# Altium PCB SINA33D3.0.PcbDoc (part 3 of 3) (continued)
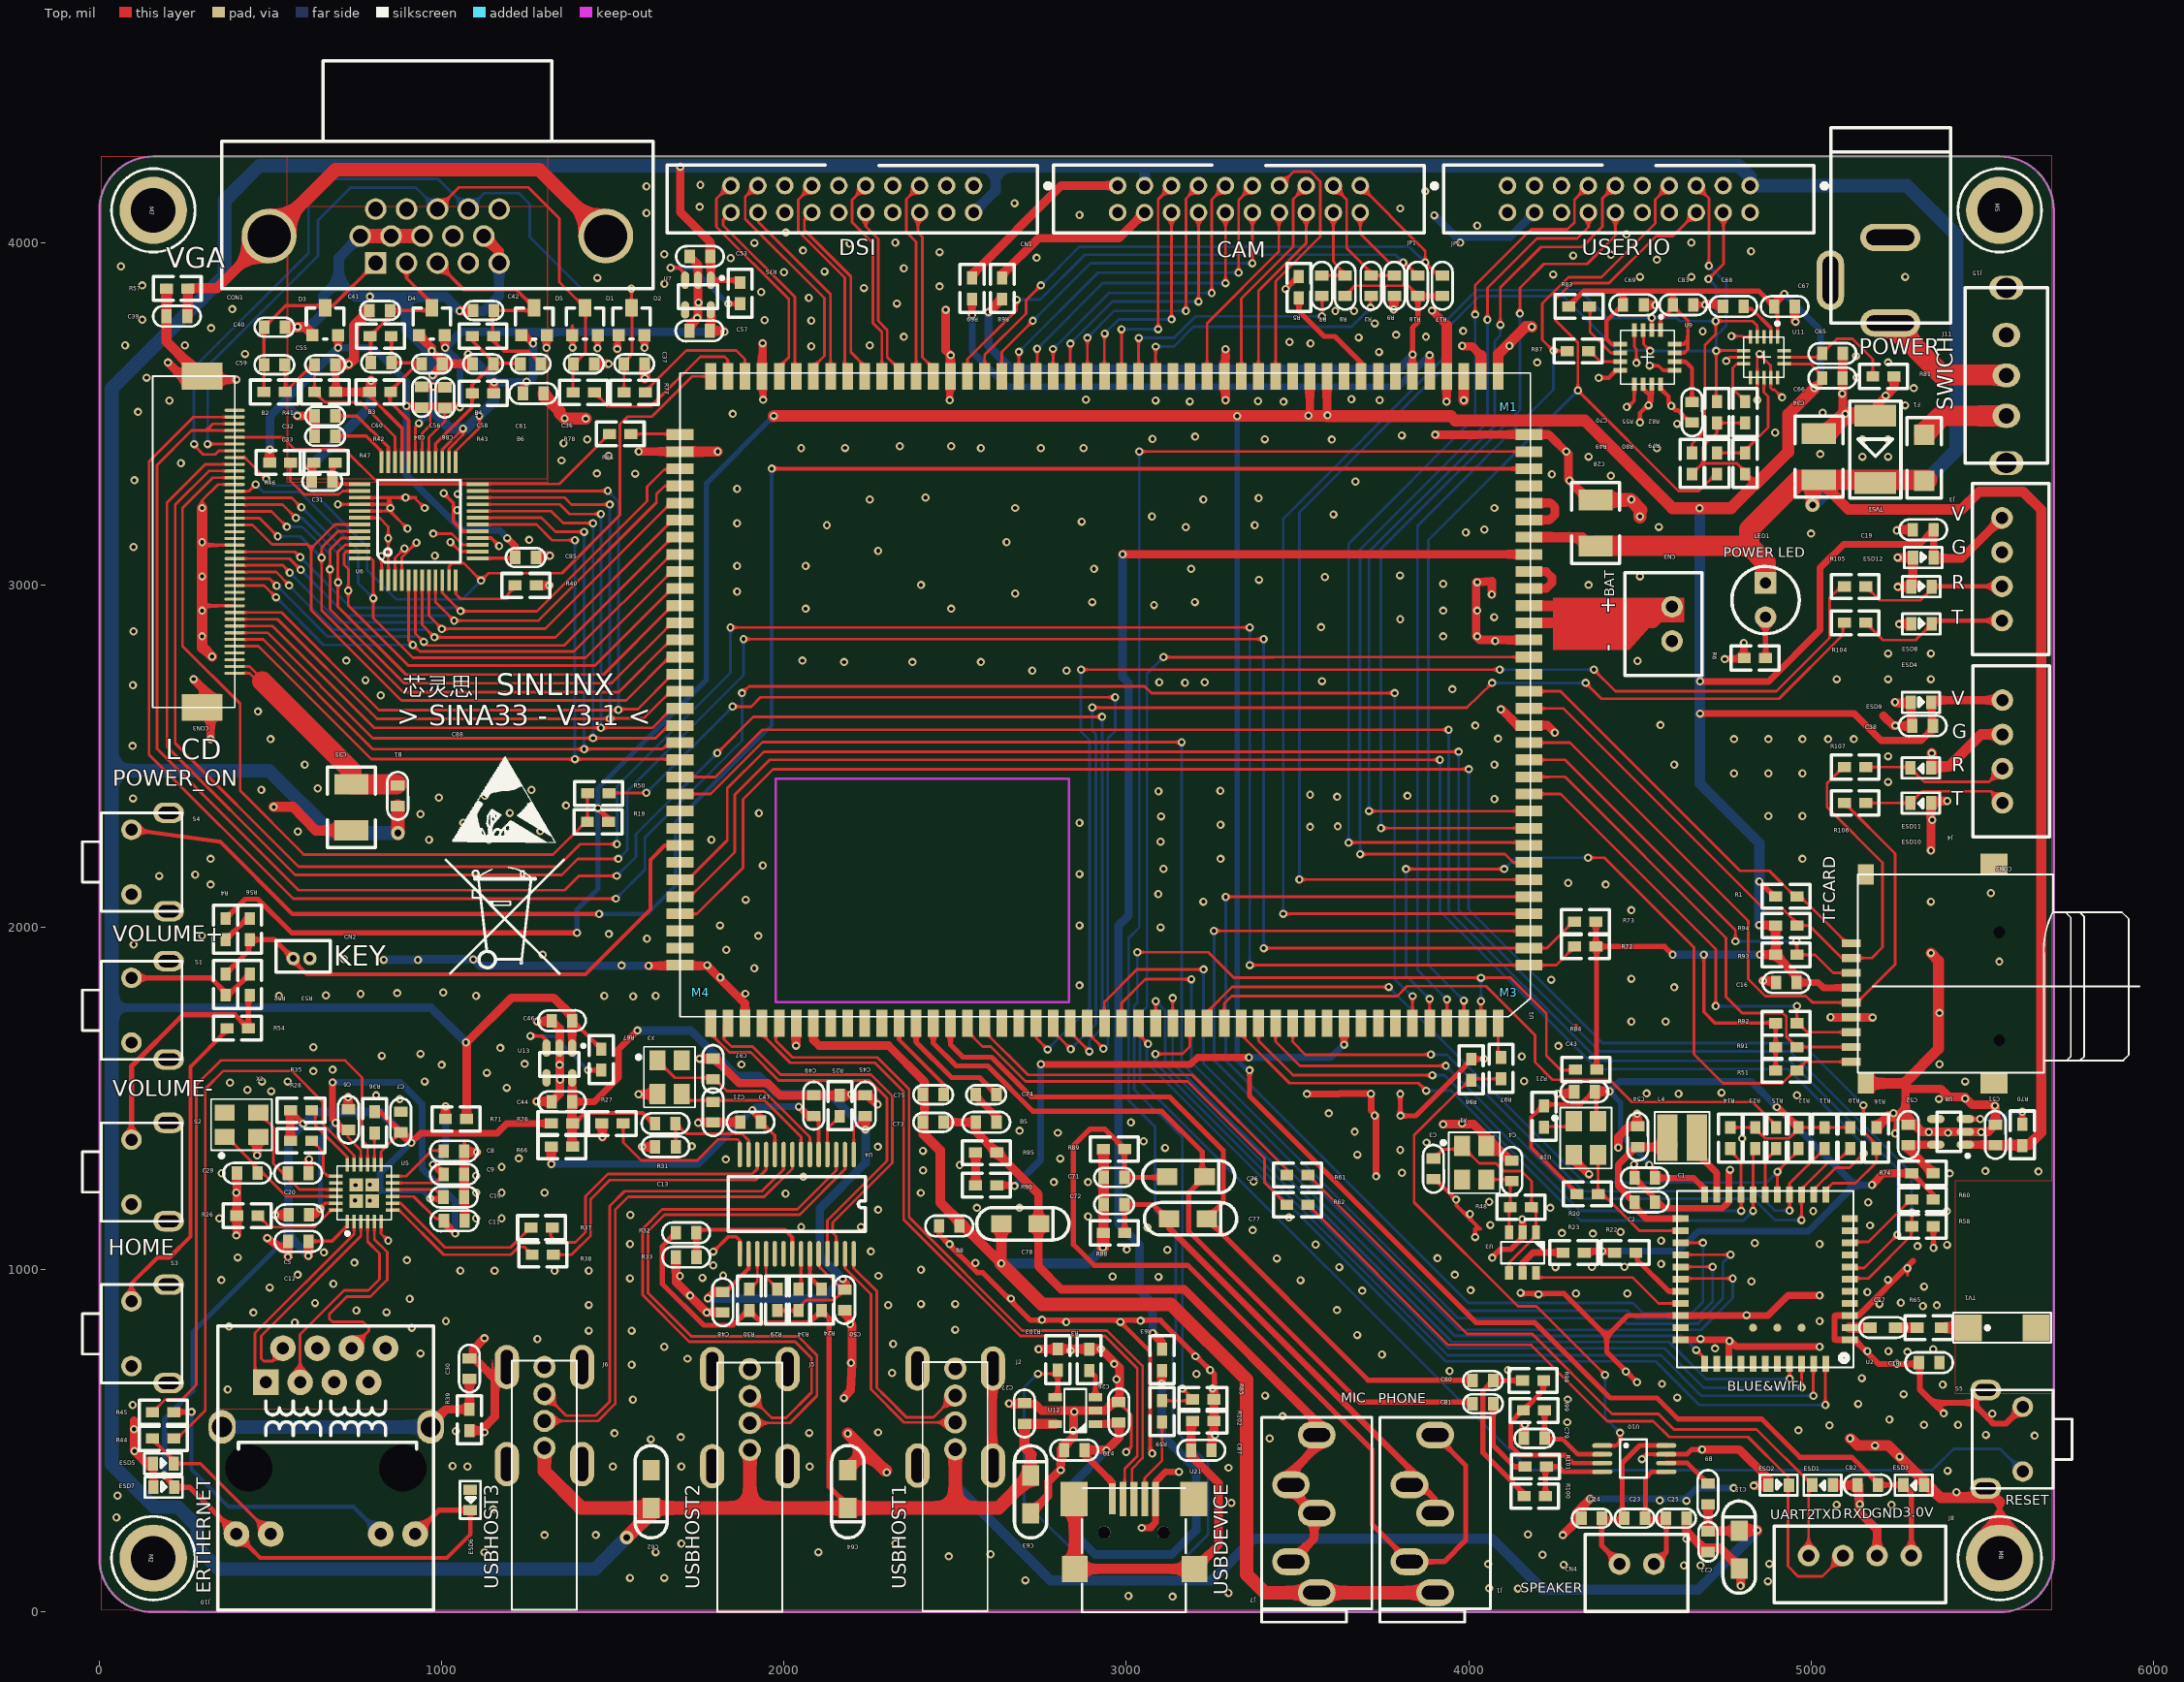
[diagram p0: Top view]
## Nets (pads, with @x,y where several pads share a name; then routed paths per layer and width w, separated by ;. In a path a pad name is that pad's centre, name@x,y a point inside that pad or via, vN(x,y) a via of type N, cw(c..) or ccw(c..) an arc to the next point about the centre after c; other vN are vias at no path point) (continued)
  Bottom w8: v1(1509.06,2083.86) 1593.31,2168.11 1593.31,2261.81 1877.17,2545.67 v1(1877.17,2684.26) ; v1(3783.47,2684.26) 3783.47,1849.61 3829.93,1803.15 3831.89,1803.15 v1(3835.83,1799.22)
TP-RST: CON3.37 CON3.38 U1.133 | length 5466.7
  Top w8: CON3.37@395.28,3451.18 312.21,3451.18 ; CON3.38@395.28,3470.87 331.89,3470.87 312.21,3451.18 ; v1(1511.42,2150.4) 1400.79,2150.4 1359.06,2108.66 581.5,2108.66 168.11,2522.05 168.11,3350.4 268.9,3451.18 312.21,3451.18 ; v1(1804.73,2509.45) 1910.24,2614.96 v1(2929.13,2614.96) ; U1.133@2835.83,1719.69 2835.83,1693.7 v1(2891.74,1637.8)
  Bottom w8: v1(1511.42,2150.4) 1566.93,2205.91 1566.93,2271.66 v1(1804.73,2509.45) ; v1(2891.74,1637.8) 2891.74,1668.51 2929.13,1705.9 v1(2929.13,2614.96)
TP-SCK: CON3.32 R73.2 U1.2 | length 6613.3
  Top w8: CON3.32@395.28,3352.76 309.06,3352.76 197.25,3240.95 197.25,2527.56 571.66,2153.15 1350.79,2153.15 1397.64,2200 v1(1516.15,2200) ; v1(1881.5,2842.13) v1(3400.79,2842.13) ; v1(3400.79,1939.37) 4158.47,1939.37 U1.2@4175.99,1939.57 4228.35,1939.57 4309.56,2020.77 R73.2@4309.56,2016.54
  Bottom w8: v1(1516.15,2200) 1541.74,2225.59 1541.74,2397.25 1881.5,2737.01 v1(1881.5,2842.13) ; v1(3400.79,1939.37) v1(3400.79,2842.13)
TP-SDA: CON3.31 R72.2 U1.1 | length 6624.2
  Top w8: CON3.31@395.28,3333.07 319.89,3333.07 221.46,3234.65 221.46,2537.8 581.7,2177.56 1338.59,2177.56 1403.94,2242.92 v1(1511.82,2242.92) ; v1(1843.31,2875.99) v1(3360.24,2875.99) ; v1(3360.24,1889.77) 3810.04,1889.77 3810.24,1889.57 U1.1@4175.99,1889.57 4255.52,1889.57 4255.52,1890.06 R72.2@4309.56,1944.1
  Bottom w8: v1(1511.82,2242.92) 1511.82,2412.21 1843.7,2744.1 1843.7,2875.59 v1(1843.31,2875.99) ; v1(3360.24,1889.77) v1(3360.24,2875.99)
TS: R5.1 U1.41 | length 323
  Top w15: R5.1@3503.94,3838.69 3503.94,3799.61 3577.56,3725.99 3609.06,3725.99 3685.83,3649.22 U1.41@3685.83,3609.45
UART0-RX: ESD11.2 J4.2 R107.1 | length 433.1
  Top w8: R107.1@5159.74,2468.11 5288.07,2468.11 ESD11.2@5290.48,2465.7 5330.98,2425.2 5520.47,2425.2 J4.2@5559.06,2463.78
UART0-TX: ESD10.2 J4.1 R106.1 | length 427.6
  Top w8: R106.1@5159.74,2363.39 5290.43,2363.39 ESD10.2@5290.48,2363.34 5324.78,2397.64 5525.2,2397.64 J4.1@5559.06,2363.78
UART3-RX: ESD8.2 J3.2 R105.1 | length 441.7
  Top w8: R105.1@5159.74,2995.67 5199.9,2955.51 5320.08,2955.51 5355.96,2991.4 5357.48,2992.91 5355.46,2994.93 ESD8.2@5352.43,2994.93 ESD8.2@5353.57,2996.06
  Top w12: ESD8.2@5353.57,2996.06 J3.2@5557.87,2996.06
UART3-TX: ESD4.2 J3.1 R104.1 | length 443.2
  Top w8: R104.1@5159.74,2889.76 5210.13,2839.37 5306.69,2839.37 5306.69,2840.53 ESD4.2@5352.43,2886.27 ESD4.2@5362.23,2896.06
  Top w12: ESD4.2@5362.23,2896.06 J3.1@5557.87,2896.06
USB-DM0: U1.115 U21.2 | length 2178.1
  Top w8: U1.115@1935.83,1719.69 1935.83,1687.01 2018.11,1604.73 2265.36,1604.73 2349.61,1520.48 2349.61,1147.04 2689.56,807.09 2937.01,807.09 3031.89,712.2 3031.89,455.91 2995.28,419.29 2995.28,330.71 2995.27,330.63 2995.24,328.55 2995.08,319.29 2985.83,328.55 2988,330.71 U21.2@2990.56,330.71
USB-DM1: U1.112 U4.25 | length 1150.4
  Top w8: U1.112@1785.83,1719.69 1785.83,1688.98 1840.16,1634.65 1902.76,1634.65 1984.26,1553.15 2248.82,1553.15 2300.79,1501.18 2300.79,1318.11 2126.61,1143.93 U4.25@2126.61,1046.34
USB-DP0: U1.116 U21.3 | length 2150.8
  Top w8: U1.116@1985.83,1719.69 1977.96,1719.69 1975.59,1717.33 1975.59,1668.51 2024.02,1620.08 2272.45,1620.08 2364.96,1527.56 2364.96,1153.15 2695.67,822.44 2943.7,822.44 3047.24,718.9 3047.24,450 3016.54,419.29 3016.54,330.71 U21.3@3022.05,330.71
USB-DP1: U1.113 U4.26 | length 1154.9
  Top w8: U1.113@1835.83,1719.69 1833.08,1719.69 1832.68,1719.29 1832.68,1712.6 1825.99,1712.6 1824.02,1710.63 1824.02,1673.63 1846.07,1651.58 1907.88,1651.58 1989.77,1569.69 2253.55,1569.69 2316.15,1507.09 2316.15,1311.97 2141.74,1137.56 2141.74,1109.06 2152.21,1098.58 U4.26@2152.21,1046.34
USB-DRVVBUS: R103.2 U1.31 U12.4 | length 5606.8
  Top w8: v1(2741.34,696.06) R103.2@2799.61,696.06 ; U12.4@2791.5,627.95 2798.43,627.95 U12.4@2799.61,626.77 ; v1(3037.8,3389.76) 3546.4,3389.76 3546.46,3389.7 U1.31@4175.99,3389.57
  Top w15: U12.4@2799.61,626.77 2799.61,696.06 R103.2@2799.61,706.4
  Bottom w8: v1(2741.34,696.06) 2701.57,656.3 2701.57,322.83 2888.19,136.22 3148.82,136.22 3238.58,225.98 3238.58,434.65 3135.04,538.19 3135.04,775.98 3144.49,785.43 3144.49,1111.81 3083.46,1172.83 3083.46,1417.72 3006.3,1494.88 3006.3,1968.5 3037.8,2000 v1(3037.8,3389.76)
USB-ID: R59.1 R84.1 R85.1 U1.157 | length 3101
  Top w8: v1(3031.89,1927.56) 3238.98,1927.56 3313.78,1852.76 v1(4035.83,1852.76) 4122.25,1852.76 4226.78,1748.23 4226.78,1625.59 4269.3,1583.07 4309.06,1583.07 4310.64,1584.65 R84.1@4311.52,1584.65 ; R59.1@3103.94,617.22 3192.51,617.22 3192.6,617.13 R85.1@3193.02,621.26 3193.02,623.92 v1(3163.78,653.15) ; U1.157@4035.83,1719.69 v1(4035.83,1784.65)
  Bottom w8: v1(3031.89,1927.56) 3031.89,1780.31 3023.14,1771.56 3023.14,1526.08 3163.78,1385.44 v1(3163.78,653.15) ; v1(4035.83,1784.65) v1(4035.83,1852.76)
USBVBUS: R63.2 U1.25 | length 3580.9
  Top w25: v1(2988.98,3089.76) 2989.17,3089.57 U1.25@4175.99,3089.57 ; v1(3076.77,814.96) 3103.94,787.8 R63.2@3103.94,768.01
  Bottom w25: v1(2988.98,3089.76) 2988.98,2731.1 3006.3,2713.78 3006.3,2034.25 2976.77,2004.72 2976.77,1134.25 3038.58,1072.44 3038.58,938.58 3076.77,900.39 v1(3076.77,814.96)
VBAT: CN3.1 U1.21 U1.22 | length 856.9
  Top w8: CN3.1@4590.95,2939.57 CN3.1@4594.1,2936.42
  Top w30: U1.22@4175.99,2939.57 CN3.1@4590.95,2939.57
  Top w32: U1.21@4175.99,2889.57 4534.73,2889.57 4538.19,2889.57 4585.04,2936.42 CN3.1@4594.1,2936.42
VBAT-EXT: U1.23 U1.24 | length 164.2
  Top w25: U1.23@4175.99,2989.57 4225.98,2989.57 4243.11,3006.7 4243.11,3022.44 4225.99,3039.57 U1.24@4175.99,3039.57
VCC-3V0: C16.1 C19.1 C38.1 C66.1 C67.1 C69.1 C82.1 C83.1 CON2.4 ESD3.2 ESD9.2 ESD12.2 J3.4 J4.4 J8.4 R1.2 R4.1 R19.2 R49.2 R51.2 R55.2 R72.1 R73.1 R79.1 R82.1 R83.1 R84.2 R91.2 R92.2 R93.2 R94.2 U1.43 U1.44 U9.1 U9.5 U9.15 U9.16 U11.1 U11.14 | length 19128.7
  Top w8: 4312.7,1715 4318.11,1709.59 4318.11,1709.06 ; R72.1@4361.42,1944.1 R72.1@4365.75,1944.1 ; R72.1@4371.56,1944.1 R72.1@4373.52,1942.13 ; R49.2@4652.37,3324.12 4683.47,3355.22 ; R79.1@4807.48,3324.12 4807.48,3331.11 4783.37,3355.22 4683.47,3355.22 ; R82.1@4807.48,3473.33 R55.2@4725.2,3473.33 4725.2,3444.1 4724.81,3444.1 4683.67,3402.96 4683.67,3385.24 4683.47,3385.04 4683.47,3355.22 ; 4836.67,3294.94 4837.91,3293.7 ; C67.1@4889.77,3818.9 4889.77,3816.11 C67.1@4889.77,3810.76 ; C67.1@4892.44,3813.44 C67.1@4889.77,3810.76 ; R1.2@4895.28,2087.8 4895.28,2089.46 R1.2@4896.56,2090.75 ; R93.2@4895.98,1920.47 R93.2@4896.56,1919.89 ; C67.1@4901.58,3807.88 4889.77,3807.88 C67.1@4889.77,3810.76 ; U11.14@4921.26,3645.67 4998.82,3645.67 5034.65,3609.85 5032.2,3607.4 C66.1@5032.2,3604.77 ; ESD9.2@5351.25,2656.74 ESD9.2@5358.29,2663.78
  Top w10: U9.1@4560.44,3744.1 4560.44,3773.71 C83.1@4595.39,3808.66 ; C83.1@4596.38,3808.66 C83.1@4595.39,3808.66 ; U9.15@4600.79,3678.15 4600.99,3677.96 4629.53,3677.96 4640.16,3688.59 4640.16,3714.37 ; U9.16@4600.79,3703.74 4629.53,3703.74 4640.16,3714.37 ; v1(4686.61,1920.08) 4686.61,1752.76 4718.11,1721.26 4897.82,1721.26 R92.2@4896.56,1720 ; U11.1@4901.58,3724.41 C67.1@4901.58,3807.88 ; C83.1@4595.39,3808.66 4596.38,3809.65 4597.36,3810.63 4601.58,3810.63 4640.16,3772.05 4640.16,3714.37
  Top w12: R72.1@4371.56,1944.1 R72.1@4371.56,1946.07 ; U9.5@4443.31,3703.74 4417.33,3703.74 4402.76,3718.31 4402.76,3772.05 4448.87,3818.16 C69.1@4451.1,3818.16 ; R51.2@4896.56,1582.48 R92.2@4896.56,1720
  Top w15: R4.1@368.9,2025.89 425.59,2082.58 463,2082.58 561.71,1983.86 v1(1394.89,1983.86) ; v1(1455.91,2348.43) 1487.7,2316.64 R19.2@1487.7,2308.27 ; v1(3359.84,1582.68) 3359.84,1507.09 4020.87,846.06 4192.52,846.06 4412.99,625.59 4549.61,625.59 4611.42,563.78 4855.91,563.78 4967.72,451.97 5119.29,451.97 5201.18,370.08 5202.32,371.21 ESD3.2@5269.61,371.21 5292.91,347.91 J8.4@5292.91,164.96 ; R83.1@4291.45,3813.78 4336.62,3858.96 4451.1,3858.96 ; R72.1@4365.75,1944.1 R72.1@4371.56,1944.1 4572.04,1944.1 v1(4595.67,1920.47) ; R84.2@4373.52,1584.65 R72.1@4373.52,1942.13 ; C69.1@4451.1,3818.16 4451.1,3858.96 ; C83.1@4596.38,3808.66 4596.38,3809.65 C83.1@4596.38,3818.55 4596.38,3858.96 ; R79.1@4807.48,3324.12 4836.67,3294.94 ; v1(4848.82,2134.25) R1.2@4895.28,2087.8 ; C67.1@4892.44,3813.44 4889.77,3816.11 4846.92,3858.96 4596.38,3858.96 ; 4451.1,3858.96 4596.38,3858.96
  Top w15.75: R72.1@4371.56,1946.07 R73.1@4371.56,2016.54
  Top w20: v1(4675.59,2624.41) 5125.98,2624.41 5204.33,2546.06 5322.44,2546.06 5352.36,2575.98 C38.1@5352.36,2588.19 ; v1(4675.59,2718.5) 4875.98,2718.5 5025.59,2868.11 5025.59,3049.21 5095.28,3118.9 5316.14,3118.9 5355.91,3158.66 C19.1@5357.56,3158.66 ; C67.1@4889.77,3818.9 v1(4921.66,3850.79) ; C16.1@4957.57,1838.74 5020.96,1838.74 5035.83,1823.86 CON2.4@5116.93,1823.86 ; v1(5009.84,3575.05) 5032.2,3598.03 C66.1@5032.2,3604.77 ; ESD9.2@5351.25,2656.74 5352.36,2655.63 C38.1@5352.36,2588.19 ; C38.1@5355.99,2588.54 5355.64,2588.19 C38.1@5352.36,2588.19 ; ESD12.2@5357.56,3080.35 C19.1@5357.56,3158.66 ; C19.1@5357.56,3161.76 C19.1@5357.56,3158.66 ; ESD12.2@5357.94,3079.97 C19.1@5357.94,3167.72 ; C19.1@5359.48,3161.76 C19.1@5359.48,3169.26
  Top w25: v1@3535.83,3494.49 U1.44@3535.83,3609.45 ; v1@3585.83,3493.31 U1.43@3585.83,3609.45 ; v1(4848.43,2006.69) 4895.19,2006.69 R94.2@4896.56,2005.32 R93.2@4896.56,1919.89 4957.57,1857.48 C16.1@4957.57,1838.74 ; v1(4850.79,1920.47) R93.2@4895.98,1920.47 ; ESD12.2@5357.56,3080.35 ESD12.2@5357.94,3079.97 5359.96,3077.95 5439.76,3077.95 J3.4@5557.87,3196.06 ; C19.1@5357.94,3167.72 C19.1@5359.48,3169.26 ; ESD9.2@5358.29,2663.78 J4.4@5559.06,2663.78
  Top w30: ESD12.2@5357.94,3079.97 5358.33,3080.35 ESD12.2@5359.48,3081.51
  Top w35: v1(1969.69,3493.7) 1969.86,3493.87 3562.11,3493.87 ; v1(3531.5,3494.49) 3535.83,3494.49 3562.11,3493.87 ; 4836.67,3294.94 4766.14,3224.41 v1(4674.41,3224.41) 4595.28,3224.41 4339.1,3480.59 3960.76,3480.59 3948.04,3493.31 3585.83,3493.31 3562.11,3493.87 ; 4837.91,3293.7 4932.79,3388.58 4933.86,3388.58 4933.86,3499.08 v1(5009.84,3575.05)
  Bottom w15: v1(1394.89,1983.86) 1394.89,2051.58 1455.91,2112.6 v1(1455.91,2348.43) 1455.91,2406.3 1773.43,2723.82 1773.43,3297.44 v1(1969.69,3493.7) ; v1(3323.62,3493.31) 3323.62,1612.2 3353.15,1582.68 v1(3359.84,1582.68)
  Bottom w20: v1(4921.66,3850.79) 5027.37,3745.08 5027.37,3592.33 5010.09,3575.05 v1(5009.84,3575.05)
  Bottom w25: v1(4595.67,1920.47) v1(4850.79,1920.47)
  Bottom w30: v1(4674.41,3224.41) 4675,3223.82 4675,2420.47 4849.02,2246.46 v1@4849.02,2006.49
  other v1: 3587.41,3495.67
VCC-WIFIBT: C1.1 C43.1 R10.2 R11.2 R12.2 R13.2 R14.2 R20.2 R21.2 R22.1 R23.2 R60.2 R74.1 U2.22 U18.4 | length 3644
  Top w8: C43.1@4366.93,1523.63 4366.93,1526.64 4367.89,1521.26 C43.1@4368.19,1519.56 4370.94,1523.63 4371.98,1521.98 C43.1@4372.45,1521.26 ; U18.4@4372.45,1435.83 4375.59,1435.83 U18.4@4377.56,1433.86 ; R14.2@4764.18,1415.65 R13.2@4836.62,1415.65 4841.74,1410.53 4841.74,1407.88 4865.75,1383.86 4935.54,1383.86 R12.2@4967.33,1415.65 ; R12.2@4962.6,1415.65 R12.2@4967.33,1415.65 ; R10.2@5114.18,1415.65 R11.2@5039.37,1415.65 R12.2@4967.33,1415.65
  Top w12: R20.2@4315.85,1221.26 4315.85,1223.92 4182.29,1357.48 4182.29,1445.67 4217.67,1481.05 4219.3,1482.68 4325.99,1482.68 C43.1@4366.93,1523.63 ; U18.4@4372.45,1435.83 C43.1@4372.45,1521.26
  Top w15: R74.1@5294.59,1281.89 5356.7,1219.79 5356.7,1204.73 R60.2@5356.59,1204.73
  Top w18: C1.1@4544.22,1268.07 4657.09,1268.07 4688.98,1236.18 U2.22@4688.98,1219.29
  Top w19.68: R23.2@4337.7,1050 4342.03,1054.33 v1(4390.16,1054.33) 4421.76,1054.33 R22.1@4426.09,1050
  Top w20: v1(4527.56,1305.52) 4544.22,1288.86 C1.1@4544.22,1268.07 ; v1(4900,1475) 4903.25,1475 R12.2@4962.6,1415.65
  Top w23.62: v1(5177.96,1247.64) 5212.21,1281.89 R74.1@5294.59,1281.89
  Top w25: C43.1@4372.45,1521.26 v1(4411.42,1521.26)
  Bottom w15: v1(4411.42,1521.26) 4443.31,1489.37 4443.31,1393.7 4527.56,1309.45 v1(4527.56,1305.52)
  Bottom w20: v1(4390.16,1054.33) 4612.41,1054.33 4670.87,1112.8 4992.52,1112.8 5127.37,1247.64 ; v1(4411.42,1521.26) 4439.57,1549.41 4825.59,1549.41 v1(4900,1475) 5127.37,1247.64 ; v1(5177.96,1247.64) 5127.37,1247.64
VGA_GND: B6.2 C31.1 C40.1 C41.1 C42.1 C55.2 C56.2 C58.2 C84.2 C86.2 CON1.5 CON1.6 CON1.7 CON1.8 CON1.10 D3.1 D4.1 D5.1 R41.1 R42.1 R43.1 R47.2 U6.25 U6.26 U6.27 U6.31 U6.33 | length 4553.2
  Top w8: v1(602.37,3331.89) v1@602.37,3332.58 ; C31.1@620.48,3303.15 620.48,3305.41 C31.1@624.52,3309.45 ; C55.2@689.37,3643.31 C55.2@690.95,3644.89 ; R42.1@782.29,3559.85 R42.1@783.86,3561.42 ; R42.1@786.22,3563.78 R42.1@783.86,3561.42 ; R42.1@793.7,3563.78 R42.1@788.69,3563.78 R42.1@783.86,3561.42 ; U6.31@922.84,3358.47 922.84,3462.21 v1(933.08,3472.44) ; U6.27@1001.58,3358.47 1001.58,3395.67 1060.24,3454.33 1060.24,3455.52 v1(1061.82,3457.09) 1062.21,3456.7 1062.21,3438.59 1021.26,3397.64 U6.26@1021.26,3358.47 ; C56.2@1001.58,3646.07 C56.2@1001.58,3653.15 ; C86.2@1007.09,3579.14 C86.2@1009.06,3577.17 ; U6.25@1040.95,3358.47 1040.95,3390.16 1110.63,3459.85 1110.63,3494.1 v1(1109.85,3494.89) ; v1(1051.97,3800.79) v1@1053.15,3801.97 ; C58.2@1083.47,3646.07 C58.2@1090.56,3646.07 ; D5.1@1232.58,3729.85 1236.6,3733.86 D5.1@1238.59,3733.86
  Top w10: R42.1@782.29,3559.85 883.47,3458.66 U6.33@883.47,3358.47
  Top w15: C31.1@624.52,3309.45 R47.2@624.52,3354.73
  Top w15.75: B6.2@1237.33,3559.8 1237.34,3584.18 v1(1247.64,3594.49)
  Top w20: v1@602.37,3332.58 624.52,3354.73 R47.2@626.09,3357.88 ; C55.2@689.37,3643.31 690.45,3642.23 R41.1@690.45,3563.78 ; v1(970.87,3683.86) C56.2@1001.58,3653.15 ; D5.1@1238.59,3733.86 v1(1266.93,3705.52)
  Top w25: R41.1@690.45,3563.78 786.22,3563.78 R42.1@788.69,3563.78 ; D4.1@933.76,3729.85 970.87,3692.74 v1(970.87,3683.86) ; C84.2@941.74,3579.14 C86.2@1007.09,3579.14 ; v1(973.23,3612.6) 996.26,3635.63 996.26,3640.75 C56.2@1001.58,3646.07 C58.2@1077.17,3646.07 ; v1@1053.15,3801.97 C42.1@1091.34,3801.97 ; v1(1077.17,3674.41) C58.2@1077.17,3646.07 ; C58.2@1083.47,3646.07 C58.2@1077.17,3646.07 ; R43.1@1151.87,3559.85 1151.87,3591.24 v1(1152.76,3592.13)
  Top w30: C40.1@542.13,3753.15 577.96,3753.15 v1(579.14,3754.33) 600.4,3754.33 621.95,3732.78 D3.1@621.95,3729.85 ; C55.2@690.95,3644.89 v1(728.74,3644.89) 743.31,3659.45 743.31,3756.7 788.59,3801.97 C41.1@788.98,3801.97 ; R42.1@793.7,3563.78 v1(793.7,3596.07) ; CON1.10@1122.64,4019.29 1167.72,3974.22 CON1.5@1167.72,3940.55
  Top w40: CON1.6@762.01,4019.29 CON1.7@852.17,4019.29 CON1.8@942.33,4019.29
  Bottom w20: v1(933.08,3472.44) 974.81,3514.18
  Bottom w25: v1(1077.17,3674.41) 1077.96,3674.41 v1@1160.24,3592.13 ; v1(1152.76,3592.13) v1@1160.24,3592.13 ; v1(1266.93,3705.52) 1266.93,3607.09 1249.61,3589.77 1247.25,3592.13 v1@1160.24,3592.13
  Bottom w30: v1(579.14,3754.33) 613,3754.33 613.78,3753.55 653.15,3792.92 653.15,3843.7 699.22,3889.77 ; v1(602.37,3331.89) 793.7,3523.23 v1(793.7,3596.07) ; CON1.6@762.01,4019.29 718.21,3975.5 718.21,3974.31 699.22,3955.32 699.22,3889.77 ; v1(790.16,3842.52) v1@788.98,3841.34 ; v1(1152.76,3592.13) 1152.76,3537.8 v1(1109.85,3494.89) 1072.05,3457.09 v1(1061.82,3457.09) 1023.63,3457.09 974.81,3505.91 974.81,3514.18 v1(974.81,3579.53) 974.81,3668.9 895.67,3748.03 895.67,3841.34 ; CON1.5@1167.72,3940.55 1167.72,3844.89 1123.63,3800.79 v1(1051.97,3800.79) 1011.42,3841.34 895.67,3841.34 ; 699.22,3889.77 747.64,3841.34 v1@788.98,3841.34 ; v1@788.98,3841.34 895.67,3841.34
VGA_VDD: C32.1 C33.1 C57.1 C84.1 C85.1 C86.1 D1.2 D2.2 D3.2 D4.2 D5.2 R46.2 U6.13 U6.29 U6.30 U7.5 | length 3630.5
  Top w8: C32.1@628.35,3494.1 C32.1@628.74,3493.7 ; C84.1@941.74,3518.51 945.67,3518.51 966.15,3498.03 966.15,3466.93 942.52,3443.31 U6.30@942.52,3358.47 ; U6.29@962.21,3358.47 962.21,3431.5 1009.06,3478.35 C86.1@1009.06,3516.54 ; v1@1048.82,3523.23 v1(1052.76,3519.29) ; C85.1@1209.45,3078.15 1207.29,3080.32 C85.1@1214.57,3080.32 C85.1@1215.75,3081.5 ; D1.2@1455.12,3728.96 D1.2@1456.01,3729.85 ; U7.5@1785.83,3803.55 U7.5@1787.01,3800.87 ; v1@1823.28,3742.48 v1(1825.99,3739.77)
  Top w10: U6.13@1105.12,3078.15 C85.1@1209.45,3078.15
  Top w15: v1(1455.12,3691.34) D1.2@1455.12,3728.96
  Top w20: D3.2@696.95,3729.85 697.25,3729.55 v1(697.25,3692.92) ; v1(896.85,3523.23) 1009.06,3523.23 v1@1048.82,3523.23 ; v1(1191.34,3137.01) 1215.75,3112.6 C85.1@1215.75,3081.5 ; v1(1305.91,3692.92) 1305.91,3728.17 D5.2@1307.58,3729.85 ; v1(1592.52,3692.92) D2.2@1592.52,3729.16
  Top w25: R46.2@496.96,3357.88 496.96,3394.2 v1(498.04,3395.28) ; v1(577.96,3494.1) C32.1@628.35,3494.1 ; C33.1@628.74,3434.26 C32.1@628.74,3493.7 ; D4.2@1008.76,3729.85 1010.24,3728.37 v1(1010.24,3692.92) ; D2.2@1591.84,3729.85 D2.2@1592.52,3729.16 ; C57.1@1783.16,3742.48 C57.1@1787.01,3742.48 ; U7.5@1787.01,3800.87 C57.1@1787.01,3742.48 ; v1@1823.28,3742.48 C57.1@1787.01,3742.48
  Bottom w8: v1(1010.24,3692.92) v1@1013.66,3689.5
  Bottom w15: v1(1455.12,3691.34) 1455.12,3739.77 ; v1(1592.52,3692.92) 1592.52,3739.77
  Bottom w20: v1(697.25,3692.92) 798.04,3692.92 896.85,3594.1 v1(896.85,3523.23) 896.85,3321.66 1059.06,3159.45 1168.9,3159.45 v1(1191.34,3137.01) ; v1@1013.66,3689.5 1052.76,3650.4 v1(1052.76,3519.29)
  Bottom w25: v1(498.04,3395.28) 498.43,3395.67 498.43,3494.1 537.21,3532.88 ; v1(577.96,3494.1) 539.18,3532.88 537.21,3532.88 ; v1(697.25,3692.92) 537.21,3532.88 ; v1(1010.24,3692.92) 1057.09,3739.77 1305.91,3739.77 ; v1(1305.91,3692.92) 1305.91,3739.77 ; v1(1825.99,3739.77) 1592.52,3739.77 1455.12,3739.77 1305.91,3739.77
WL-PMU-EN: R16.2 U1.108 U2.12 | length 4773.9
  Top w8: U1.108@1695.67,2039.57 1745.67,2039.57 1879.93,2173.82 1879.93,2374.41 1967.72,2462.21 v1(4000,2462.21) ; U2.12@5043.31,1219.29 5043.31,1233.47 5062.6,1252.76 5129.93,1252.76 5190.95,1313.78 R16.2@5190.95,1353.65 5190.95,1365.75 5153.15,1403.55 v1(5153.15,1480.71)
  Bottom w8: v1(4000,2462.21) 4000,2053.15 4391.15,1662.01 4971.85,1662.01 v1(5153.15,1480.71)
WL-SDIO-CLK: R15.2 U1.142 | length 1912.3
  Top w8: U1.142@3285.83,1719.69 3285.83,1778.35 3307.09,1799.61 3791.34,1799.61 3820.08,1828.35 4050.79,1828.35 4193.7,1685.44 4193.7,1606.3 4244.89,1555.12 4411.82,1555.12 4477.17,1489.77 4829.53,1489.77 4898.43,1420.87 R15.2@4898.43,1415.65
WL-SDIO-CMD: R12.1 U1.141 U2.16 | length 2138.8
  Top w8: U1.141@3235.83,1719.69 3235.83,1752.76 3309.06,1825.99 v1(3766.15,1825.99) ; U2.16@4901.58,1219.29 v1(4901.58,1286.62) 4962.6,1347.64 R12.1@4962.6,1353.65
  Bottom w8: v1(3766.15,1825.99) 4336.79,1255.34 4407.06,1255.34 4407.48,1254.92 4870.48,1254.92 4901.58,1286.02 v1(4901.58,1286.62)
WL-SDIO-D0: R13.1 U1.143 U2.18 | length 1950.8
  Top w8: U1.143@3335.83,1719.69 3335.83,1685.83 3476.38,1545.28 3853.15,1545.28 v1(3875.59,1522.84) ; v1(4830.71,1171.66) U2.18@4830.71,1219.29 4830.71,1350.79 4833.57,1353.65 R13.1@4836.62,1353.65
  Bottom w8: v1(3875.59,1522.84) 3948.43,1522.84 4327.17,1144.1 4803.15,1144.1 v1(4830.71,1171.66)
WL-SDIO-D1: R14.1 U1.144 U2.19 | length 1865.1
  Top w8: U1.144@3385.83,1719.69 3385.83,1668.9 3486.62,1568.11 v1(3893.7,1568.11) ; R14.1@4764.18,1353.65 4760.61,1350.03 4795.28,1315.36 U2.19@4795.28,1219.29 4796.07,1218.51 v1(4796.07,1171.66)
  Bottom w8: v1(3893.7,1568.11) 3928.74,1568.11 4325.2,1171.66 v1(4796.07,1171.66)
WL-SDIO-D2: R10.1 U1.145 U2.14 | length 2086.9
  Top w8: U1.145@3435.83,1719.69 3435.83,1666.54 3506.7,1595.67 v1(3933.08,1595.67) ; v1(4972.05,1144.89) 4972.05,1218.9 U2.14@4972.45,1219.29 4972.45,1235.83 5052.61,1316 5075.74,1316 5110.46,1350 R10.1@5114.18,1353.65
  Bottom w8: v1(3933.08,1595.67) 4320.87,1207.88 4831.89,1207.88 4894.89,1144.89 v1(4972.05,1144.89)
WL-SDIO-D3: R11.1 U1.146 U2.15 | length 1933.1
  Top w8: U1.146@3485.83,1719.69 3485.83,1665.75 3522.05,1628.35 v1(3889.37,1628.35) ; v1(4937.01,1172.84) U2.15@4937.01,1219.29 4937.01,1252.07 R11.1@5039.37,1353.65
  Bottom w8: v1(3889.37,1628.35) 3936.22,1628.35 4335.44,1229.14 4837.8,1229.14 4894.1,1172.84 v1(4937.01,1172.84)
WL-WAKE-AP: U1.107 U2.13 | length 4678.3
  Top w8: U1.107@1695.67,2089.57 1725.79,2089.57 1855.91,2219.69 1855.91,2387.4 1957.88,2489.37 v1(3915.75,2489.37) ; U2.13@5007.88,1219.29 5007.88,1231.89 5006.7,1233.07 5072.05,1298.43 5112.6,1298.43 v1(5154.33,1340.16)
  Bottom w8: v1(3915.75,2489.37) 3915.75,2046.85 4376.58,1586.03 4932.88,1586.03 5154.33,1364.57 v1(5154.33,1340.16)
pads on no net: CON1.4 CON1.9 CON1.11 CON1.12 CON1.15 CON2.11 CON2.12 CON2.13 CON2.14 CON2.15 CON3.3 CON3.4 CON3.12 CON3.13 CON3.21 CON3.22 CON3.40 J10.4 J10.5 J10.7 J10.15 J10.16 J15.1 J15.4 J15.5 JP2.2 JP2.3 JP2.8 JP2.9 JP2.10 JP2.15 JP2.16 JP2.17 JP2.19 JP2.20 M1.1 M3.1 M4.1 TV1.2 U1.18 U1.29 U1.39 U1.40 U1.42 U1.45 U1.51 U1.52 U1.102 U1.103 U1.105 U1.109 U1.110 U1.119 U1.120 U1.121 U1.122 U1.129 U1.130 U1.147 U1.148 U1.150 U1.151 U1.152 U2.4 U2.5 U2.8 U2.10 U2.11 U2.32 U2.35 U2.37 U2.38 U2.39 U2.40 U2.45 U2.46 U2.47 U4.19 U4.20 U5.20 U6.49 U6.50 U7.4 U8.4 U11.3 U11.9 U11.13 U11.16 U13.4 U21.9 U21.10 U21.11 X1.3 X2.4 X3.4

## Polygon pours and split planes (outlines as drawn)
VGA_GND on Top (solid, remove dead copper, pour order 2): 551.19,4106.3 1306.7,4106.3 1306.7,3309.06 551.19,3309.06
GND on Top (solid, remove dead copper, pour order 0): 6.3,4251.58 547.25,4251.58 547.25,3301.18 1310.24,3301.18 1310.24,4255.52 5702.37,4255.52 5702.36,1259.05 5420.47,1259.06 5420.47,638.58 5702.36,638.58 5702.37,6.3 975.98,6.3 975.98,592.13 340.55,592.13 340.55,0 6.3,6.3
GND on Bottom (solid, remove dead copper, pour order 6): -7.87,4250.79 553.55,4250.79 553.55,3306.3 1316.54,3306.3 1316.54,4240.55 5708.67,4240.55 5708.66,1254.72 5418.5,1254.72 5418.5,882.28 5418.5,641.34 5705.52,641.34 5705.52,-2.37 978.74,-2.36 978.74,603.54 339.76,603.54 339.76,0 -7.87,0
VGA_GND on Bottom (solid, remove dead copper, pour order 4): 558.67,4068.11 1311.82,4068.11 1311.82,3312.6 558.67,3312.6

## Keep-outs
Keep-Out Layer:
  lines w7: 157.48,0 cw(c157.48,157.48) 0,157.48 0,4094.49 cw(c157.48,4094.49) 157.48,4251.97 5551.18,4251.97 cw(c5551.18,4094.49) 5708.66,4094.49 5708.66,157.48 cw(c5551.18,157.48) 5551.18,0 157.48,0 ; 157.48,0 157.48,0 ; 1975.94,1781.05 1975.94,2434.2 2831.72,2434.2 2831.72,1781.05 1975.94,1781.05

## Other copper
Top:
  pour cut-out: 4539.76,1461.81 4704.72,1461.81 4704.72,1311.81 4539.76,1311.81 4539.76,1461.81
  pour cut-out: 4269.29,1472.83 4416.14,1472.83 4416.14,1298.43 4269.29,1298.43 4269.29,1472.83
  pour cut-out: 331.89,1500 500,1500 500,1357.48 331.89,1357.48 331.89,1500
  region net VBAT: 4247.25,2962.6 4629.13,2962.6 4629.13,2892.13 4541.66,2892.13 4469.36,2810.24 4247.25,2810.24 4247.25,2962.6
  pour cut-out: 3939.76,1400 4087.4,1400 4087.4,1227.17 3939.76,1227.17 3939.76,1400

## Silkscreen, mask and mechanical layers (free items; w line width, h text height)
Silkscreen Top:
  circle w6: c1098.86,2156.91 r9.06
  circle w10: c1132.86,1905.91 r24.04
  lines w4: 1228.86,1903.91 1228.86,1892.91 1235.86,1892.91 1235.86,1904.91 ; 1230.86,2147.91 1240.86,2147.91 1240.86,2165.91 1230.86,2165.91 1230.86,2147.91
  lines w5: 1104.91,2143.95 cw(c1183.88,2059.86) 1147.46,2169.32 ; 1106.86,2108.91 1089.86,2108.91 1089.86,2086.91 1112.86,2086.91 ; 1194.88,2174.91 cw(c1183.11,2059.05) 1262.83,2143.94 ; 1151.86,2064.91 1150.86,2065.91 1145.86,2069.91 1144.86,2072.91 1148.86,2073.91 1148.86,2067.91 1151.86,2064.91 ; 1151.86,2064.91 1135.86,2075.91 1198.86,2075.91 1197.86,2075.91 1200.86,2075.91 1200.86,2064.91 1151.86,2064.91
  lines w8: 1011.86,2196.91 1094.86,2114.91 1186.86,2021.91 1187.86,2020.91 1327.86,1880.91 1326.86,1881.91 1343.86,1864.91 ; 1024.86,1865.91 1355.86,2196.91 ; 1107.86,2136.91 1130.86,1934.91 ; 1159.86,1906.91 1216.86,1906.91 1233.86,1906.91 1259.86,2133.91 1260.86,2141.91
  lines w12: 1096.86,2141.91 1260.86,2141.91 1272.86,2141.91 1256.86,2141.91
  text "DSI" at 2159.06,3947.64 h80
  text "USER IO" at 4330.71,3947.64 h80
  text "CAM" at 3264.57,3940.94 h80
  text "VGA" at 194.88,3906.3 h100
  text "POWER" at 5139.76,3657.48 h80
  text "SWICH" at 5430.32,3509.85 h80 r90
  text "V" at 5410,3173.23 h70
  text "G" at 5410,3075.2 h70
  text "POWER LED" at 4744.09,3071.26 h50
  text "R" at 5410,2973.23 h70
  text "BAT" at 4435,2964.57 h50 r90
  text "+" at 4442.91,2913.78 h78.74 r90
  text "T" at 5410,2871.65 h70
  text "-" at 4442,2805.51 h78.74 r90
  text "芯灵思|" at 888.98,2663.19 h85
  text "SINLINX" at 1158.27,2656.89 h110
  text "V" at 5410,2635.04 h70
  text "> SINA33 - V3.1 <" at 867.87,2570.63 h100
  text "G" at 5411.42,2537.01 h70
  text "LCD" at 192.91,2470.47 h100
  text "R" at 5410,2440.94 h70
  text "POWER_ON" at 39.37,2398.03 h80
  text "T" at 5410,2342.13 h70
  text "TFCARD" at 5083.86,2011.81 h60 r90
  text "VOLUME+" at 39.37,1942.91 h80
  text "KEY" at 683.86,1868.51 h100
  text "VOLUME-" at 39.37,1490.94 h80
  text "HOME" at 25.98,1027.17 h80
  text "BLUE&WIFI" at 4754.33,635.43 h50
  text "MIC" at 3627.17,602.76 h50
  text "PHONE" at 3735.83,600.79 h50
  text "RESET" at 5567.32,303.15 h50
  text "3.0V" at 5266.93,267.32 h50
  text "GND" at 5177.56,265.35 h50
  text "RXD" at 5094.09,264.17 h50
  text "TXD" at 5008.66,262.2 h50
  text "UART2" at 4881.1,261.42 h50
  text "USBHOST3" at 1179.92,67.25 h70 r90
  text "USBHOST2" at 1767.33,67.25 h70 r90
  text "USBHOST1" at 2370.08,67.25 h70 r90
  text "ERTHERNET" at 338.58,54.33 h70 r90
  text "USBDEVICE" at 3310.24,50.4 h70 r90
  text "SPEAKER" at 4151.97,47.64 h50